# KiCad board board_delta.kicad_pcb (continued)
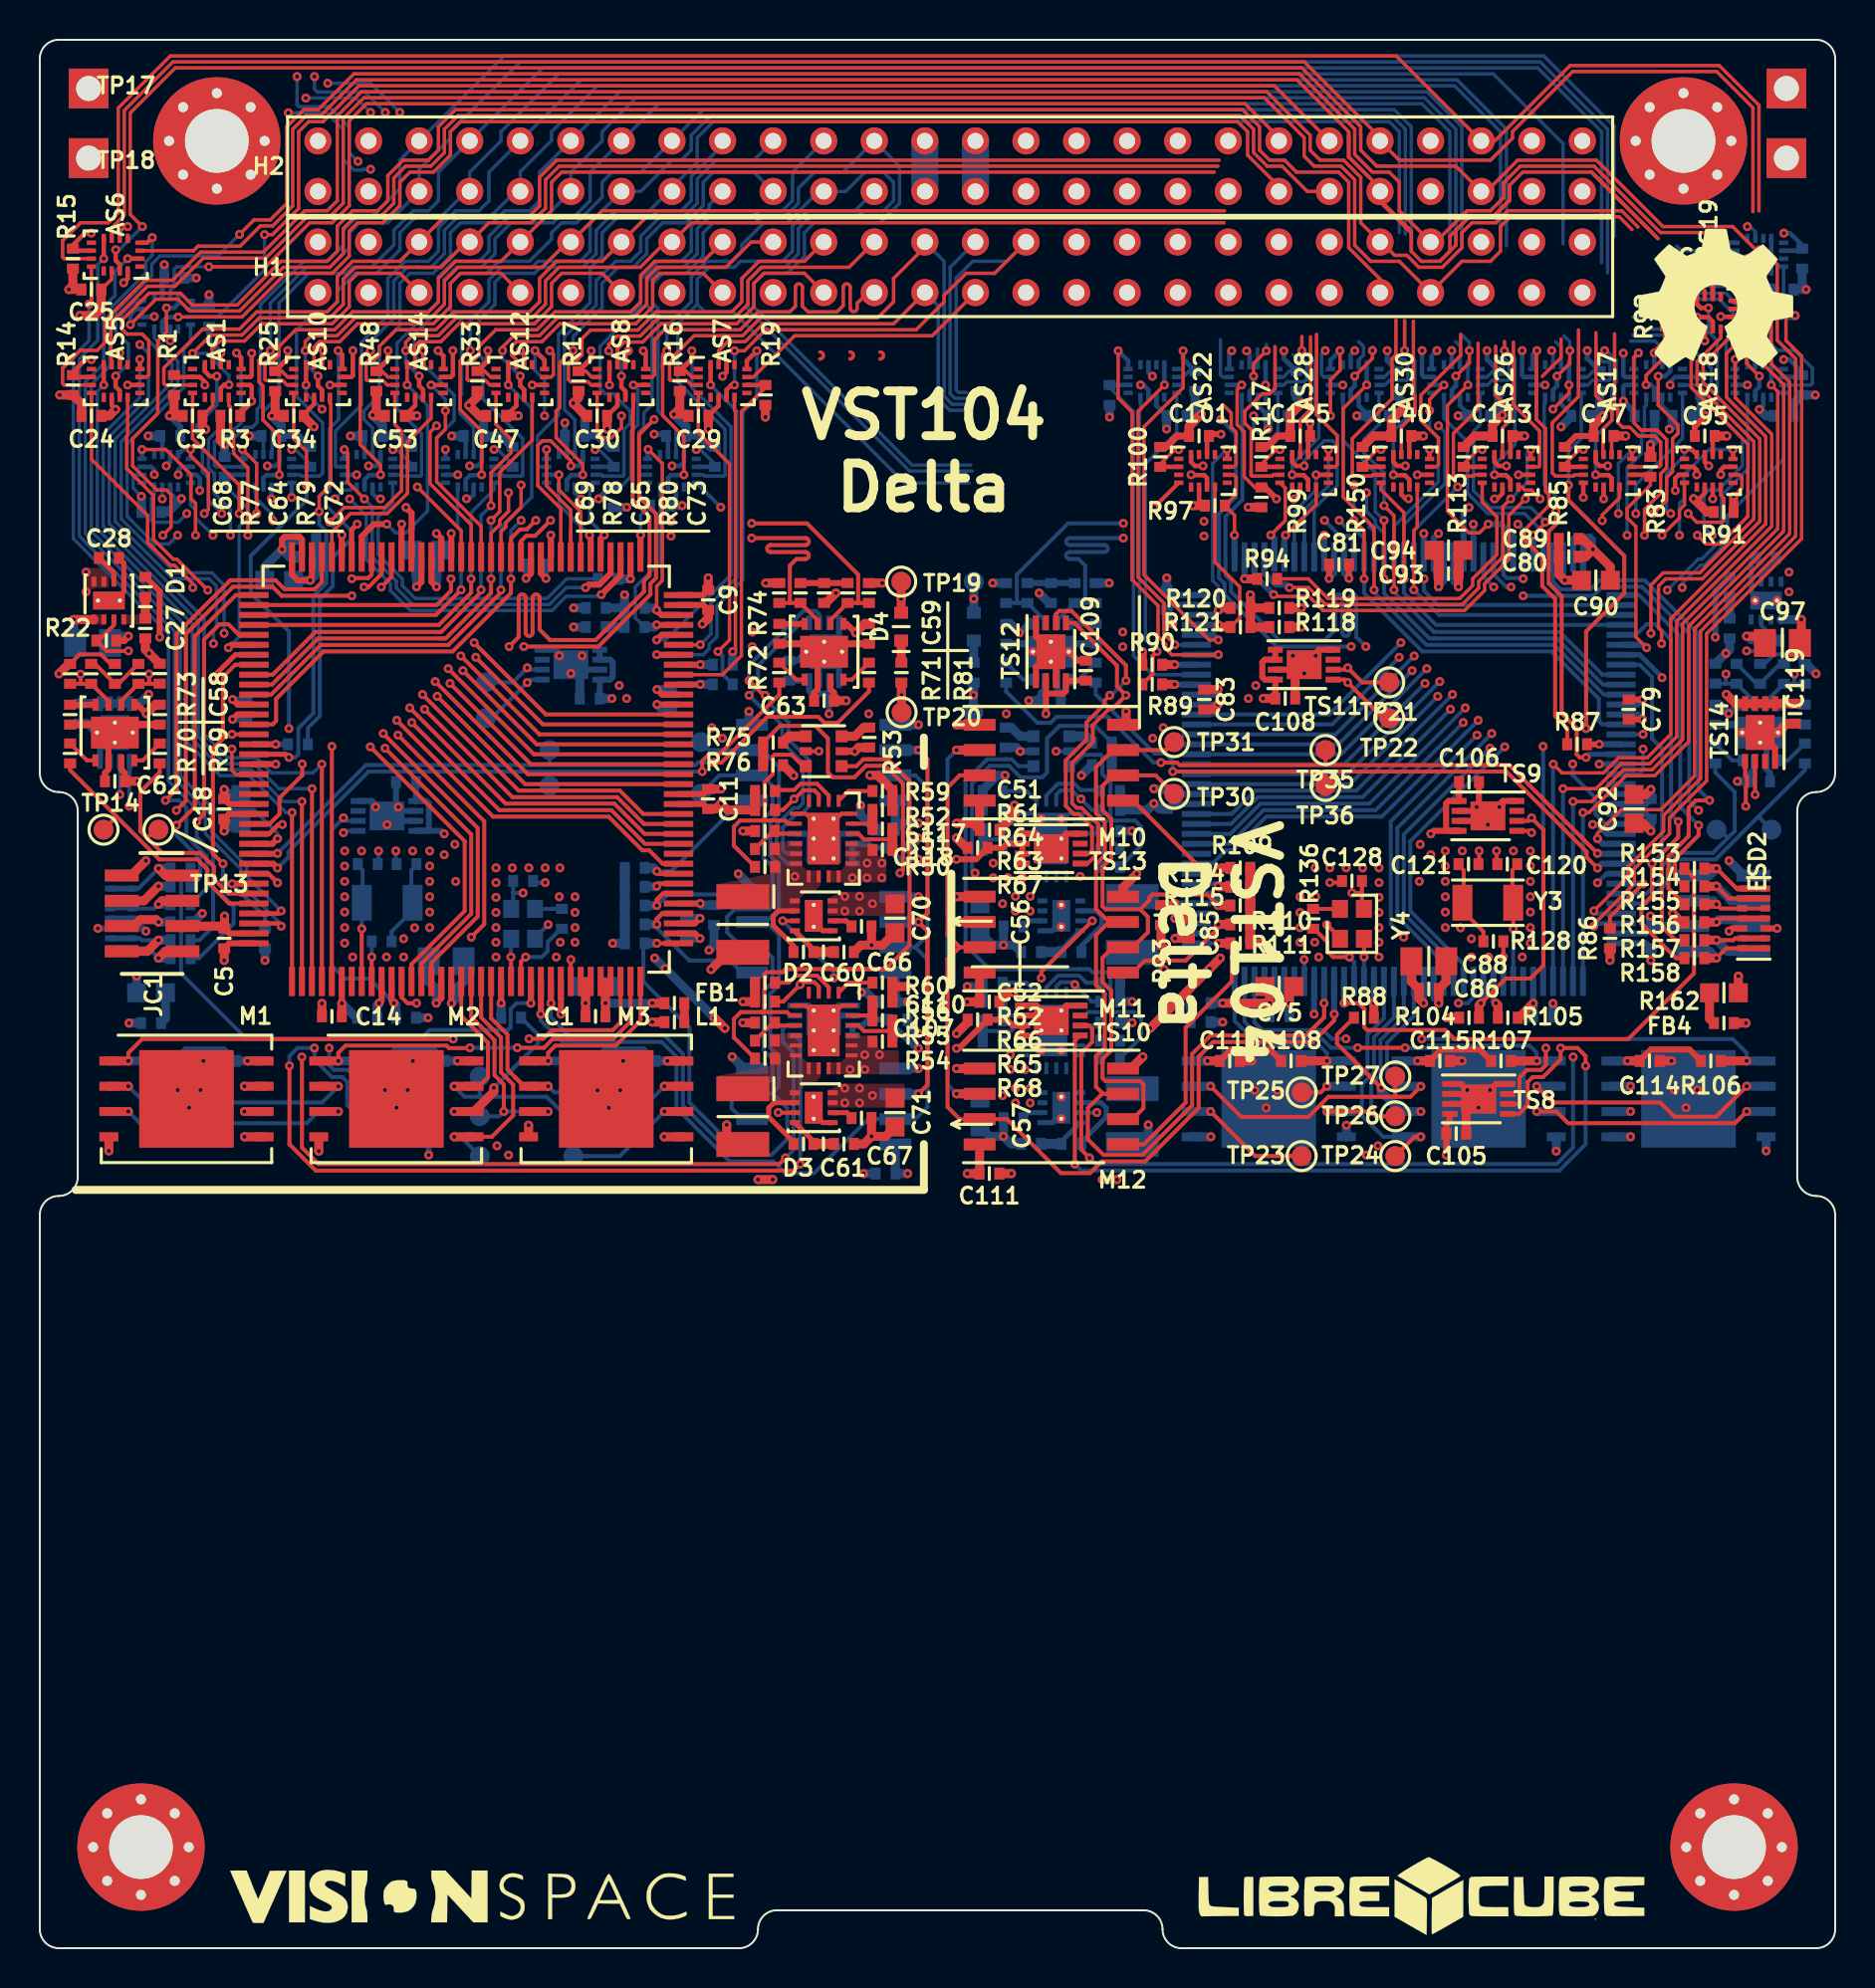
[diagram p0: board, top side]
## Routing (per net, layer and track width the routed paths; a pad name or vN(x,y) marks a point on that pad's centre or on a via; arc(x,y) is an arc through that point) (continued)
/OBC_left/TEMP_VDD: length 161.2
  Top w0.45: v1(36.07,38.62) v1(36.81,38.62)
  In2.Cu w0.45: v1(20.31,55.99) v1(20.84,55.46) v1(20.31,54.94) v1(20.31,55.99) ; v1(20.31,55.99) 20.31,56.82 23.63,60.14 26.08,60.14 v1(28.73,62.79) ; v1(28.73,62.79) v1(29.1,63.44) v1(29.47,62.79) ; v1(28.73,62.79) v1(29.47,62.79) ; v1(41.63,62.02) 43.55,60.1 43.55,55.29 v1(44.13,54.71) ; v1(29.47,62.79) 30.35,61.91 34.61,61.91 34.96,61.56 39.18,61.56 v1(39.64,62.02) ; v1(19.53,39.85) 23.54,39.85 v1(23.54,39.85) ; v1(23.54,39.85) v1(22.96,40.32) 22.35,39.86 ; v1(23.54,39.85) 24.77,38.62 v1(36.07,38.62) v1(36.81,38.62)
  In3.Cu w0.45: v1(2.32,68.15) 2.32,68.15 v1(2.32,69.14) ; 7.01,66.72 7.65,66.72 ; 7.01,66.72 7.33,66.4 7.33,66.4 ; 7.01,66.72 3.06,66.72 2.32,67.46 2.32,68.22 ; 7.65,66.72 20.01,66.72 20.09,66.81 ; 7.65,66.72 7.33,66.4 ; 7.33,66.4 7.33,63.53 6.8,63 v1(5.47,63) ; v1(29.1,63.44) v1(28.73,62.79) v1(29.47,62.79) v1(29.1,63.44) ; v1(29.1,63.44) 29.1,63.93 27.43,65.59 26.78,65.59 25.13,67.24 20.53,67.24 20.09,66.81 ; v1(20.31,54.94) 20.83,55.46 v1(20.84,55.46) 20.84,55.46 v1(20.31,55.99) v1(20.31,54.94) ; v1(20.31,54.94) 20.31,49 22.2,47.11 22.2,41.08 v1(22.96,40.32) v1(23.54,39.85) ; 20.09,66.81 20.03,66.74 ; v1(39.64,62.02) v1(41.63,62.02) ; v1(36.07,38.62) v1(36.81,38.62) 39.18,38.62 40.45,39.89 41.94,39.89 44.71,42.65 44.71,44.63 v1(44.13,45.21)
  Bottom w0.3: v1(44.13,45.21) 44.01,45.21 C36.1 41.61,46.65 41.32,46.36 TS3.7 TS3.8 ; v1(20.31,55.99) 20.16,56.14 TS2.8 19.41,56.14 ; v1(44.13,54.71) 43.15,54.71 C45.1 ; TS4.5 TS4.6 28.64,64.74 28.77,64.61 28.77,63.87 28.64,63.74 TS4.8 C37.2 ; C46.1 TS7.5 TS7.6 TS7.7 TS7.8 5,62.53 ; 42.47,55.19 C45.1 ; C45.1 41.81,55.29 41.61,55.5 TS6.6 ; 39.64,62.98 39.58,63.04 38.77,63.04 38.64,63.17 TS5.8 C38.1 ; 39.64,62.98 v1(39.64,62.02) ; 39.64,62.98 TS5.6 39.65,63.68 ; TS6.6 41.61,55.5 ; TS6.6 TS6.7 TS6.8 ; 19.54,56.27 19.54,57.51 19.41,57.64 TS2.5 C33.1 ; TS1.8 19.36,41.59 19.53,41.41 C32.1 v1(19.53,39.85) 19.53,39.85
  Bottom w0.45: C37.2 v1(28.73,62.79) ; C46.1 5,62.53 v1(5.47,63)
/OBC_left/UART1_CTS: length 12.2
  Top w0.173: 14.63,71.73 v1(14.55,71.65) ; 14.63,71.73 14.6,71.7 ; 14.63,71.73 15.28,72.38 17.32,72.38 18.17,73.23 18.17,76.22 17.83,76.55 AS14.8
  Top w0.3: v1(15.17,71) 15.17,71 U1.103
  Bottom w0.173: v1(14.55,71.65) 14.55,71.62 v1(15.17,71) 14.6,71.57
/OBC_left/UART1_EN: length 16.2
  Top w0.173: AS14.6 17.48,78.94 17.18,79.24 R48.1 ; v1(20.37,77.25) 20.37,76.32 19.93,75.88 19.93,73.68 22.17,71.44 U1.89
  Top w0.225: AS14.14 v1(19.65,78.54)
  Top w0.25: R48.1 17.49,79.83 v1(17.49,80.27)
  In2.Cu w0.173: v1(19.65,78.54) 19.65,79.04 19.26,79.42 18.34,79.42 v1(17.49,80.27)
  Bottom w0.173: v1(20.37,77.25) 20.37,77.82 v1(19.65,78.54)
/OBC_left/UART1_RST: length 11.2
  Top w0.173: U1.104 14.67,71.14 15.6,72.08 17.44,72.08 18.47,73.11 18.47,75.69 19.65,76.87 AS14.12
/OBC_left/UART1_RX: length 16
  Top w0.225: v1(20,80.27) 20.27,80 AS14.16
  Top w0.25: U1.102 15.67,71.28 v1(15.94,71.55)
  In2.Cu w0.173: v1(15.94,71.55) 16.38,71.11 18.48,71.11 19.93,72.57 19.93,75.88 20.81,76.76 20.81,79.46 v1(20,80.27)
/OBC_left/UART1_TX: length 13
  Top w0.173: AS14.4 v1(18.45,78.54)
  Top w0.3: v1(17.43,71.55) 16.78,71.55 16.17,70.94 U1.101
  Bottom w0.173: v1(17.43,71.55) 17.87,71.11 18.38,71.11 19.47,72.2 19.47,77.52 v1(18.45,78.54)
/OBC_left/UART2_CTS: length 24.1
  Top w0.173: AS12.8 22.91,76.56 23.67,75.81 23.67,75.14 22.66,74.13 v1(22.66,72.48)
  Top w0.2: U1.117 11.69,63.99 13.84,66.13 20.16,66.13 22.16,68.14 v1(22.16,68.25)
  Bottom w0.173: v1(22.66,72.48) 22.16,71.98 v1(22.16,68.25)
/OBC_left/UART2_EN: length 15.9
  Top w0.173: R33.1 22.34,79.24 22.64,78.94 AS12.6 ; v1(24.17,73.52) 24.17,72.4 23.4,71.63 23.4,71.41 23.17,71.17 U1.87
  Top w0.225: v1(24.73,78.54) AS12.14
  Top w0.25: v1(22.5,80.27) 22.5,79.76 R33.1
  In2.Cu w0.173: v1(22.5,80.27) 23.35,79.42 24.34,79.42 24.73,79.04 v1(24.73,78.54) 23.59,77.4 23.59,74.1 v1(24.17,73.52)
/OBC_left/UART2_RST: length 24.7
  Top w0.173: AS12.12 24.73,75.78 23.1,74.14 23.1,72.18 v1(22.66,71.74)
  Top w0.2: v1(22.66,68.8) 22.66,68.08 20.39,65.81 20.12,65.81 ; 20.12,65.81 13.97,65.81 11.65,63.49 U1.118 ; 20.12,65.81 20.29,65.81
  Bottom w0.173: v1(22.66,68.8) v1(22.66,71.74)
/OBC_left/UART2_RX: length 31
  Top w0.2: v1(23.66,68.8) 23.66,68.09 23.37,67.8 23.37,67.79 20.73,65.15 14.24,65.15 11.87,62.78 11.87,61.66 11.69,61.49 U1.122
  Top w0.225: AS12.16 25.35,79.79 v1(24.87,80.27)
  In2.Cu w0.173: v1(25.35,76.99) 25.89,76.45 25.89,74.77 25.21,74.09 25.21,72.78 v1(24.17,71.74)
  Bottom w0.173: v1(23.66,68.8) 23.66,71.23 v1(24.17,71.74) ; v1(25.35,76.99) 25.35,78.8 24.87,79.28 v1(24.87,80.27)
/OBC_left/UART2_TX: length 27.1
  Top w0.2: v1(23.16,68.25) 23.16,68.12 20.52,65.48 14.11,65.48 11.62,62.99 U1.119
  Top w0.225: AS12.4 v1(23.53,78.54)
  Bottom w0.173: v1(23.16,68.25) 23.16,71.36 24.71,72.91 24.71,77.36 v1(23.53,78.54)
/OBC_left/UART3_CTS: length 8
  Top w0.173: 26.67,71.28 26.67,72.25 25.45,73.47 v1(25.45,75.3) ; 26.67,71.28 26.67,70.87 ; 26.67,71.28 U1.80 ; 26.67,69.9 U1.80 ; U1.80 26.67,70.87 ; 26.67,70.87 26.67,71.07
  Bottom w0.225: AS13.8 25.45,75.3 v1(25.45,75.3)
/OBC_left/UART3_EN: length 10.3
  Top w0.173: U1.79 27.17,72.18 26.07,73.27 v1(26.07,74.03)
  In2.Cu w0.173: v1(27.89,75.29) 26.84,75.29 26.07,74.52 v1(26.07,74.03)
  Bottom w0.173: R34.1 28.82,74.56 28.09,75.29 v1(27.89,75.29) ; 28.82,74.53 28.72,74.43
  Bottom w0.225: AS13.6 v1(26.07,74.03) ; AS13.14 R34.1
/OBC_left/UART3_RST: length 9.6
  Top w0.173: v1(26.67,74.48) 26.67,74.73 25.66,75.74 25.24,75.74 25.01,75.51 25.01,73.48 26.17,72.33 U1.81
  Bottom w0.225: v1(26.67,74.48) 27.07,74.48 27.27,74.67 AS13.12
/OBC_left/UART3_RX: length 4.6
  Top w0.3: U1.78 27.67,70.94 v1(27.6,71)
  Bottom w0.173: v1(27.6,71) 26.07,72.53 AS13.4 26.07,73.01
/OBC_left/UART3_TX: length 4.3
  Top w0.3: v1(28.35,71) 28.17,70.82 U1.77
  Bottom w0.173: 27.97,71.38 27.89,71.46 ; 27.97,71.38 27.62,71.73 27.62,73.36 AS13.16 ; 27.97,71.38 v1(28.35,71)
/OBC_left/UART4_CTS: length 40.1
  Top w0.2: v1(6.86,57.17) 7.33,57.64 7.33,66.03 9.7,68.4 11.69,68.4 12.15,67.95 v1(15.67,67.95)
  Top w0.225: U1.137 11.48,53.99 v1(11.94,53.53)
  In2.Cu w0.173: 19.18,70.58 19.18,69.84 ; 19.18,70.58 19.18,69.77 17.36,67.95 v1(15.67,67.95) ; 19.18,70.58 19.18,71.39 20.25,72.46 20.25,75.18 v1(20.37,75.3)
  In2.Cu w0.2: v1(11.94,53.53) 11.44,53.03 9.28,53.03 8.75,53.56 8.75,56.41 7.99,57.17 v1(6.86,57.17)
  Bottom w0.225: AS15.8 20.37,75.3 v1(20.37,75.3)
/OBC_left/UART4_EN: length 11.2
  Top w0.173: U1.88 22.67,71.1 23.1,71.53 23.1,71.75 23.54,72.2 v1(23.54,73.13)
  In2.Cu w0.173: 22.81,74 22.81,73.86 v1(23.54,73.13) ; 22.81,74 22.4,73.59 21.43,73.59 v1(20.99,74.03) ; 22.81,74 v1(22.81,75.3)
  Bottom w0.173: R49.1 23.74,74.56 23,75.3 v1(22.81,75.3)
  Bottom w0.225: AS15.14 R49.1 ; AS15.6 v1(20.99,74.03)
/OBC_left/UART4_RST: length 19.4
  Top w0.2: U1.110 19.94,67.49 20.65,68.2 v1(20.65,68.8)
  In2.Cu w0.173: v1(21.59,74.48) 20.79,74.48 20.55,74.24 20.55,72.34 19.48,71.27 19.48,69.97 v1(20.65,68.8)
  Bottom w0.225: AS15.12 22.19,74.67 21.99,74.48 v1(21.59,74.48)
/OBC_left/UART4_RX: length 17.6
  Top w0.2: U1.112 20.05,66.49 21.66,68.1 v1(21.66,68.8)
  Bottom w0.173: v1(21.66,68.8) 21.66,72.13 22.81,73.28 AS15.16
/OBC_left/UART4_TX: length 16.2
  Top w0.2: v1(21.16,68.25) 19.9,66.99 U1.111
  Bottom w0.173: AS15.4 20.99,71.4 21.16,71.23 v1(21.16,68.25)
/OBC_left/UART5_RX: length 17.7
  Top w0.2: v1(9.2,54.49) 8.69,55 8.69,60.27 9.2,60.77 9.2,63.87 9.82,64.49 U1.116
  Bottom w0.2: v1(9.2,54.49) 9.2,53.7 9.2,53.7 9.2,52.88 9.73,52.35 9.73,51.48 7.99,49.74 R46.2
/OBC_left/UART5_TX: length 19.4
  Top w0.2: U1.113 10,65.99 9.47,66.52 9.02,66.52 8.25,65.74 8.25,56.97 v1(7.88,56.6)
  Bottom w0.2: v1(7.88,56.6) 7.88,55.82 8.7,55 8.7,51.33 8.02,50.65 R45.2
/OBC_left/USER1_1: length 38.2
  Top w0.2: U1.53 24.37,58.49 v1(19.96,62.9)
  Top w0.225: AS1.4 8.29,79.23 8.54,78.98 v1(8.89,78.98)
  In2.Cu w0.173: v1(9.14,72.08) 9.14,70.79 14.26,65.67 14.26,65.66 14.33,65.59 14.51,65.41 17.45,65.41 v1(19.96,62.9)
  Bottom w0.17: v1(9.14,72.08) 8.47,72.75 8.47,73.68 8.47,73.68
  Bottom w0.173: 8.47,73.68 8.47,73.88 8.17,74.18 8.17,75.84 7.89,76.12 7.89,76.53 8.89,77.53 v1(8.89,78.98)
/OBC_left/USER1_2: length 35.1
  Top w0.17: 10.01,73.14 10.01,73.52 8.88,74.65
  Top w0.173: v1(10.01,72.08) 10.01,73.14 ; 8.88,74.65 7.67,75.86 AS1.8
  Top w0.2: U1.55 24.66,59.49 v1(20.6,63.55)
  In2.Cu w0.173: v1(20.6,63.55) 18.14,66.01 14.76,66.01 14.56,66.21 14.55,66.21 10.01,70.76 v1(10.01,72.08)
/OBC_left/USER1_4: length 33.7
  Top w0.17: 10.45,73.3 10.45,74.38 9.73,75.1 9.73,75.34
  Top w0.173: 9.73,75.34 9.73,76.07 9.58,76.22 9.58,77.43 9.49,77.52 AS1.12 ; v1(10.45,70.99) 10.45,73.3
  Top w0.2: U1.56 24.81,59.99 v1(20.51,64.29)
  In2.Cu w0.173: v1(10.45,70.99) 10.45,70.74 14.63,66.57 14.63,66.57 14.89,66.31 18.49,66.31 v1(20.51,64.29)
/OBC_left/USER1_EN: length 19.1
  Top w0.2: U1.99 17.17,69.05 16.51,68.39 v1(16.28,68.39)
  Top w0.225: v1(8.29,78.54) 8.29,78.69 8.04,78.94 AS1.6 6.84,78.94 R1.2
  In2.Cu w0.173: v1(8.29,78.54) 9.54,77.29 11.3,77.29 11.44,77.43 11.86,77.43 13.83,75.45 13.83,73.23 13.59,72.98 13.59,71.96 16.28,69.27 v1(16.28,68.39)
/OBC_left/USER2_1: length 27.9
  Top w0.2: v1(21.14,64.93) 21.19,64.88 21.2,64.88 25.09,60.99 U1.58
  In2.Cu w0.173: v1(21.14,64.93) 19.16,66.91 15.21,66.91 14.51,67.62 14.51,69.35 12.12,71.73 v1(11.7,71.73)
  Bottom w0.173: v1(11.7,71.73) 11.7,72.01 10.83,72.88 AS2.4
/OBC_left/USER2_2: length 30.8
  Top w0.17: 10.89,73.07 10.89,74.59 v1(10.17,75.31)
  Top w0.173: v1(10.89,72.08) 10.89,73.07
  Top w0.2: U1.57 24.95,60.49 v1(21.25,64.19)
  In2.Cu w0.173: v1(10.89,72.08) 10.89,70.73 14.75,66.87 14.76,66.87 15.01,66.61 18.83,66.61 v1(21.25,64.19)
  Bottom w0.225: AS2.8 10.21,75.27 v1(10.17,75.31)
/OBC_left/USER2_4: length 29.1
  Top w0.2: v1(21.9,64.86) 21.93,64.83 21.93,64.82 25.26,61.49 U1.59
  In2.Cu w0.173: v1(11.43,74.48) 11.43,73.67 12.14,72.96 12.14,72.14 14.81,69.47 14.81,67.74 15.34,67.21 19.55,67.21 21.9,64.86 v1(21.9,64.86)
  Bottom w0.225: v1(11.43,74.48) 11.83,74.48 12.03,74.67 AS2.12
/OBC_left/USER2_EN: length 11.8
  Top w0.3: v1(9.47,65.34) 9.62,65.49 U1.114
  Bottom w0.17: v1(9.47,65.34) 10.01,65.88 10.01,71.43 10.45,71.87 10.45,72.34 9.28,73.51 R2.1
  Bottom w0.225: AS2.6 9.38,74.03 R2.1
/OBC_left/USER3_1: length 32.4
  Top w0.2: v1(19.22,62.99) 24.05,58.16 29.13,58.16 30.3,56.99 U1.50
  In2.Cu w0.173: v1(8.7,70.99) 8.7,70.8 10.35,69.15 14.38,65.11 17.1,65.11 v1(19.22,62.99)
  Bottom w0.17: v1(8.7,70.99) 7.82,71.87 7.82,72.26 7.57,72.52 AS3.16
/OBC_left/USER3_2: length 36.1
  Top w0.2: v1(18.68,61.58) 23.08,57.18 28.71,57.18 30.4,55.49 U1.47
  In2.Cu w0.173: v1(18.68,61.58) 16.05,64.21 13.98,64.21 7.38,70.81 v1(7.38,72.08)
  Bottom w0.173: v1(7.38,72.08) 6.95,71.65 5.68,71.65 5.6,71.73 5.6,72.86 5.75,73.01 AS3.4
/OBC_left/USER3_3: length 35.5
  Top w0.173: v1(8.26,72.08) 8.47,72.29 8.47,74.09 7.57,74.99 v1(7.57,75.31)
  Top w0.2: v1(19.32,62.25) 23.74,57.83 28.99,57.83 30.34,56.49 U1.49
  In2.Cu w0.173: v1(19.32,62.25) 16.76,64.81 14.23,64.81 8.26,70.78 v1(8.26,72.08)
  Bottom w0.225: AS3.12 7.21,75.31 v1(7.57,75.31)
/OBC_left/USER3_4: length 37.2
  Top w0.173: v1(7.82,70.99) 7.82,72.6 7.59,72.83 7.59,74.04 6.33,75.3 v1(5.13,75.3)
  Top w0.2: U1.48 30.38,55.99 28.86,57.51 23.39,57.51 18.58,62.32 v1(18.58,62.32)
  In2.Cu w0.173: v1(7.82,70.99) 7.82,70.79 14.1,64.51 16.39,64.51 v1(18.58,62.32)
  Bottom w0.225: AS3.8 5.13,75.3 v1(5.13,75.3)
/OBC_left/USER3_EN: length 27.6
  Top w0.2: v1(13.18,59.5) 13.18,58.94 12.04,57.79 12.04,56.99 11.54,56.49 U1.132
  In2.Cu w0.17: 13.18,61.37 v1(13.18,59.5)
  In2.Cu w0.173: v1(5.1,72.95) 5.71,73.56 6.48,73.56 v1(6.95,74.03) ; v1(5.1,72.95) 5.1,72.84 ; v1(5.1,72.95) 5.1,71.39 6.63,69.86 6.63,68.77 8.26,67.14 8.26,65.36 11.87,61.75 12.88,61.75 13.18,61.45 13.18,61.37
  Bottom w0.173: AS3.6 4.8,74.03 4.69,73.91 4.69,73.36 v1(5.1,72.95)
  Bottom w0.225: v1(6.95,74.03) 6.95,74.27 7.11,74.43 AS3.14
  Bottom w0.45: R10.1 v1(5.1,72.95)
/OBC_left/USER4_1: length 44.7
  Top w0.2: v1(16.6,60.36) 21.34,55.62 21.34,52.11 18.67,49.44 U1.13
  In2.Cu w0.173: v1(16.6,60.36) 14.26,62.7 12.76,62.7 9.39,66.07 v1(9.25,66.07)
  Bottom w0.173: v1(9.25,66.07) 9.25,68.49 8.64,69.1 6.8,69.1 4.09,71.81 4.09,75.7 6.93,78.54 6.93,79.73 5.75,80.91 AS4.4
/OBC_left/USER4_2: length 48.7
  Top w0.173: v1(6.36,82.41) 6.36,81.2 5.93,80.76 5.93,77.12 4.66,75.85 4.66,74.48 5.88,73.26 6.36,73.26 6.59,73.03 6.59,71.4 v1(6.18,70.99)
  Top w0.2: v1(17.99,60.95) 22.32,56.62 22.32,51.45 v1(21.67,50.8) ; v1(18.92,47.48) 18.47,47.48 18.17,47.78 U1.12
  In2.Cu w0.173: v1(17.99,60.95) 15.33,63.61 13.71,63.61 6.77,70.55 6.62,70.55 v1(6.18,70.99)
  In2.Cu w0.2: v1(18.92,47.48) 21.67,50.23 v1(21.67,50.8)
  Bottom w0.225: AS4.12 6.95,82.61 6.75,82.41 v1(6.36,82.41)
/OBC_left/USER4_3: length 43.8
  Top w0.2: U1.5 14.67,59.44 v1(14.67,60.38)
  In2.Cu w0.173: v1(14.67,60.38) 12.99,62.06 12.11,62.06 11.79,62.38 11.79,62.38 8.72,65.44 v1(8.72,65.55)
  Bottom w0.173: v1(8.72,65.55) 8.72,66.18 8.87,66.33 8.87,68.45 8.51,68.8 6.67,68.8 3.79,71.69 3.79,75.82 6.63,78.67 6.63,79.61 5.13,81.1 4.36,81.1 4.11,81.36 4.11,82.1 4.7,82.7 5.1,82.7 5.13,82.73 AS4.8
/OBC_left/USER4_4: length 46.6
  Top w0.2: 17.93,61.66 v1(17.93,61.69) 22.77,56.85 28.57,56.85 30.26,55.16 30.61,55.16 31.28,54.49 U1.45
  In2.Cu w0.173: v1(6.92,70.99) 6.92,70.85 13.85,63.91 15.71,63.91 v1(17.93,61.69)
  Bottom w0.173: 4.39,71.94 4.57,71.76 ; 4.39,71.94 4.39,75.58 7.23,78.42 7.23,80.34 7.57,80.68 AS4.16 ; 4.39,71.94 5.77,70.55 6.48,70.55 v1(6.92,70.99)
/OBC_left/USER4_EN: length 32.6
  Top w0.173: U1.127 9.84,58.99 9.65,59.18 v1(9.65,60.25)
  In2.Cu w0.173: v1(8.5,83.08) 6.38,83.08 5.75,82.45 v1(5.75,81.98) 5.75,79.1 4.66,78.01 4.66,71.41 6.33,69.74 6.33,68.64 7.96,67.01 7.96,65.22 10.12,63.07 10.12,60.72 v1(9.65,60.25)
  Bottom w0.225: AS4.6 5.74,81.97 v1(5.75,81.98) ; R11.1 8.4,82.37 AS4.14
  Bottom w0.45: R11.1 v1(8.5,83.08)
/OBC_left/USER5_1: length 38.7
  Top w0.2: U1.3 13.67,56.94 13.67,56.94 v1(13.67,58.26)
  Top w0.225: AS5.16 5.03,79.82 v1(5.02,79.83)
  Bottom w0.173: v1(5.02,79.83) 5.02,77.91 3.19,76.07 3.19,71.44 7.96,66.67 7.96,60.87 9.32,59.51 10.76,59.51 12.01,58.26 v1(13.67,58.26)
/OBC_left/USER5_2: length 39.9
  Top w0.173: 5.77,70.28 5.41,70.64 5.41,71.99 2.59,74.81 AS5.8 ; 5.77,70.28 6.56,69.49 6.75,69.49 7.68,68.56 v1(7.68,68.36) ; 5.77,70.28 5.49,70.55
  Top w0.2: U1.14 19.17,49.48 21.67,51.98 21.67,55.96 v1(17.34,60.29)
  In2.Cu w0.173: v1(17.34,60.29) 14.63,63 13.04,63 v1(7.68,68.36)
/OBC_left/USER5_3: length 36.8
  Top w0.2: U1.2 v1(13.17,57.62)
  Top w0.225: AS5.4 v1(3.21,78.54)
  Bottom w0.173: v1(3.21,78.54) 2.89,78.22 2.89,71.32 7.66,66.55 7.66,60.74 9.19,59.21 10.63,59.21 12.23,57.62 v1(13.17,57.62)
/OBC_left/USER5_4: length 38.7
  Top w0.173: v1(8.43,68.23) 6.88,69.79 6.7,69.79 5.71,70.78 5.71,72.99 4.67,74.03 4.67,74.04 4.36,74.35 4.36,75.97 4.41,76.02 AS5.12
  Top w0.2: U1.15 19.67,49.51 21.99,51.84 21.99,56.28 17.25,61.02 v1(17.25,61.03)
  In2.Cu w0.173: v1(8.43,68.23) 13.36,63.3 14.98,63.3 v1(17.25,61.03)
/OBC_left/USER5_EN: length 25.5
  Top w0.173: U1.115 9.84,64.99
  Top w0.225: v1(2.59,79.82) 2.3,79.82 1.66,79.18 R14.1 1.76,78.94 AS5.6 ; AS5.14 v1(4.41,78.54)
  Top w0.25: U1.115 9.82,64.99 8.7,63.87 v1(8.7,63.84)
  In2.Cu w0.173: v1(8.7,63.84) 7.65,64.88 7.65,66.9 6.03,68.52 6.03,69.61 4.36,71.28 4.36,78.49 v1(4.41,78.54) 4.4,78.55 4.4,79.04 3.62,79.82 v1(2.59,79.82)
/OBC_left/USER6_1: length 44.7
  Top w0.173: 5.15,85.69 AS6.16
  Top w0.2: U1.1 12.67,57.06 v1(12.67,57.06)
  Top w0.225: AS6.16 5.39,85.69 v1(5.65,85.95)
  Bottom w0.173: v1(5.65,85.95) 5.65,85.06 5.33,84.74 5.33,84.16 3.51,82.35 3.51,79.49 2.59,78.57 2.59,71.19 7.36,66.42 7.36,60.62 9.07,58.91 10.51,58.91 12.36,57.06 v1(12.67,57.06)
/OBC_left/USER6_2: length 39.9
  Top w0.225: v1(12.12,52.12) 11.99,51.99 U1.141 ; AS6.4 v1(3.21,84.89)
  Bottom w0.173: v1(3.21,84.89) 2.91,84.59 2.91,80.79 1.99,79.87 1.99,70.95 6.76,66.17 6.76,58.77 8.62,56.91 8.62,56.12 10.39,54.35 10.39,53.85 v1(12.12,52.12)
/OBC_left/USER6_3: length 44.7
  Top w0.2: U1.4 14.17,59.48 v1(14.16,59.49)
  Top w0.225: v1(4.21,83.68) 4.41,83.88 AS6.12
  In2.Cu w0.173: v1(5.02,80.57) 4.9,80.57 3.99,81.48 3.99,83.46 v1(4.21,83.68)
  Bottom w0.173: v1(14.16,59.49) 13.72,59.05 11.64,59.05 10.88,59.81 9.44,59.81 8.26,60.99 8.26,66.79 3.49,71.57 3.49,75.95 5.46,77.92 5.46,80.13 v1(5.02,80.57)
/OBC_left/USER6_4: length 39.7
  Top w0.173: 2.59,82.73 2.59,83.11 ; 2.59,82.73 2.59,82.96 ; 2.59,82.73 v1(2.47,82.61) ; 2.59,83.11 AS6.8 ; 2.59,83.11 2.59,82.96 ; 2.59,82.96 2.59,82.89
  Top w0.225: v1(12.12,51.35) 11.98,51.49 U1.142
  Bottom w0.173: v1(2.47,82.61) 2.47,80.77 1.69,79.99 1.69,70.82 6.46,66.05 6.46,58.65 8.32,56.79 8.32,56 10.09,54.23 10.09,53.48 12.12,51.45 v1(12.12,51.35)
/OBC_left/USER6_EN: length 42.2
  Top w0.225: AS6.6 1.76,85.29 R15.1 1.66,85.57 2.26,86.17 v1(2.58,86.17) ; AS6.14 v1(4.41,84.89)
  Top w0.3: v1(11.94,55.75) 11.68,55.49 U1.134
  In2.Cu w0.173: v1(2.58,86.17) 3.63,86.17 4.41,85.39 v1(4.41,84.89)
  Bottom w0.173: v1(11.94,55.75) 11.94,56.01 10.75,57.2 8.75,57.2 7.06,58.9 7.06,60.64 ; 7.06,60.64 7.06,60.5 ; 7.06,60.64 7.06,66.3 2.29,71.07 2.29,78.69 3.21,79.61 3.21,82.47 3.77,83.04 3.77,84.25 v1(4.41,84.89)
/OBC_left/USER_SPI2_EN: length 12
  Top w0.2: U1.100 16.67,69.02 16.49,68.84 15.7,68.84 v1(15.67,68.81)
  In2.Cu w0.173: v1(15.67,68.81) 15.67,69.45 13.09,72.04 13.09,73.17 12.65,73.61 v1(12.65,75.3)
  Bottom w0.173: R4.1 13.58,74.56 12.84,75.3 v1(12.65,75.3)
  Bottom w0.225: AS2.14 R4.1
/OBC_left/USER_SPI3_EN: length 17.5
  Top w0.2: U1.98 17.67,68.91 v1(17.15,68.39)
  Top w0.225: v1(10.64,77.73) 10.64,78.47 10.57,78.54 AS1.14
  Top w0.3: v1(10.64,77.73) 10.07,77.16 R3.2
  In2.Cu w0.173: v1(17.15,68.39) 17.15,69.71 14.38,72.48 14.38,76.47 13.12,77.73 10.93,77.73 v1(10.64,77.73)
/OBC_left/WATCHDOG: length 21
  Top w0.225: v1(36.01,80.26) 35.51,79.76 AS7.16
  Top w0.3: U1.66 30.98,64.99 v1(30.98,64.99)
  Bottom w0.173: v1(30.98,64.99) 33.32,64.99 33.62,65.29 33.62,65.52 34.01,65.9 34.01,67.45 35.31,68.76 35.31,77.18 36.01,77.88 v1(36.01,80.26)
/OBC_right/BOOT: length 4
  Top w0.2: v1(80.52,53.48) 78.86,51.82 R86.1
  Bottom w0.3: v1(80.52,53.48) 80.51,53.49 U4.138
/OBC_right/CAN1_EN: length 13.7
  Top w0.173: v1(60.36,78.54) 60.14,78.32 60.14,76.54 60.49,76.19 60.49,73.93 61.02,73.4 R99.2
  Top w0.3: R99.2 61.53,73.4 v1(62.11,72.82)
  In2.Cu w0.173: v1(62.11,72.82) 62.56,72.37 64.63,72.37 v1(65.26,71.74)
  Bottom w0.2: v1(65.26,71.74) 65.71,71.29 66.05,71.29 66.5,70.84 U4.86
  Bottom w0.225: AS21.14 v1(60.36,78.54)
/OBC_right/CAN1_N: length 50.6
  In2.Cu w0.2: v1(84.69,64.02) 84.59,64.02 82.71,62.14 82.71,61.77 79.98,59.04 72.68,59.04 66.84,64.89 66.84,65.16 v1(66.6,65.4)
  Bottom w0.2: TRC13.1 TRC15.1 ; TRC15.1 TRC17.1 ; C135.2 84.16,63.53 84.68,63.53 ; U5.6 86.07,62.68 R139.1 84.68,63.53 ; AS21.12 60.4,76.19 60.4,72.78 59.55,71.93 59.55,68.98 59.83,68.7 59.83,68.15 62.26,65.73 64.55,65.73 65.07,66.25 TRC17.1 ; v1(84.69,64.02) 84.68,64.01 84.68,63.53 ; v1(66.6,65.4) 66.12,65.88 TRC13.1
/OBC_right/CAN1_P: length 52.2
  In2.Cu w0.173: v1(59.32,76.81) 59.32,76.73 59.32,79.72 v1(59.86,80.26)
  In2.Cu w0.2: v1(88.12,64.01) 87.68,63.57 84.6,63.57 83.04,62.01 83.04,61.64 80.11,58.71 72.55,58.71 v1(65.86,65.4)
  Bottom w0.2: v1(65.86,65.4) 62.12,65.4 59.5,68.02 59.5,68.56 59.22,68.84 59.22,72.06 60.07,72.91 60.07,76.06 v1(59.32,76.81) ; C133.2 88.12,63.53 ; 88.12,63.53 R137.1 86.72,62.67 U5.7 ; 88.12,63.53 88.12,64.01 v1(88.12,64.01)
  Bottom w0.225: AS21.16 59.74,80.14 v1(59.86,80.26)
/OBC_right/CAN1_RX: length 12
  Bottom w0.2: 84.2,59.53 R122.2 84.15,59.07 85.12,58.1 85.12,56.13 84.78,55.79 ; 84.78,55.79 84.03,55.03 82.12,55.03 81.42,54.33 81.42,53.71 80.7,52.99 U4.139 ; 84.78,55.79 84.37,56.2 TP33.1
/OBC_right/CAN1_TX: length 13.6
  Bottom w0.2: U4.140 80.66,52.49 81.75,53.58 81.75,54.2 82.25,54.7 84.16,54.7 86.31,56.86 ; R123.2 88.65,59.19 86.31,56.86 ; 86.31,56.86 TP34.1
/OBC_right/CAN2_EN: length 12.5
  Top w0.173: v1(57.2,75.29) 56.99,75.29 56.27,74.57 R100.1
  Top w0.225: AS22.14 R100.1
  In2.Cu w0.173: v1(64.51,71) 64.07,71.44 62.42,71.44 58.56,75.29 v1(57.2,75.29)
  Bottom w0.3: v1(64.51,71) 64.5,70.99 U4.82
/OBC_right/CAN2_N: length 17.1
  Top w0.225: AS22.12 57.82,74.67 58.02,74.48 v1(58.42,74.48)
  In2.Cu w0.2: v1(58.42,74.48) 58.41,74.48 57.31,74.48 v1(54.42,71.59)
  Bottom w0.2: R140.1 C136.2 ; R140.1 49.1,67.59 49.07,67.62 49.07,69.02 51.64,71.59 v1(54.42,71.59) ; R140.1 50.46,66.74 U6.6
/OBC_right/CAN2_P: length 15.4
  Top w0.2: v1(55.97,72.4) 57.2,73.63 AS22.16
  In2.Cu w0.2: v1(54.42,70.85) 54.42,70.85 v1(55.97,72.4)
  Bottom w0.2: C134.2 R138.1 51.1,66.73 U6.7 ; TRC16.1 52.17,69.8 52.5,69.47 52.5,67.6 ; TRC14.1 TRC18.1 ; v1(54.42,70.85) TRC14.1 ; TRC18.1 TRC16.1
/OBC_right/CAN2_RX: length 35.7
  Top w0.2: v1(78.23,55.01) 73.8,59.44 57.24,59.44 57.12,59.57 v1(56.31,59.57) ; TP35.1 64.57,59.49
  Bottom w0.2: v1(56.31,59.57) 55.93,59.57 53.63,61.87 51.07,61.87 50.77,61.57 50.1,61.57 48.53,63.14 R124.2
  Bottom w0.3: U4.135 78.25,54.99 v1(78.23,55.01)
/OBC_right/CAN2_TX: length 31.8
  Top w0.2: v1(56.9,59.12) 73.66,59.12 77.69,55.09 77.69,54.81 v1(78.23,54.27) ; TP36.1 64.57,59.03
  Bottom w0.2: v1(56.9,59.12) 56.9,59.65 56.53,60.02 56,60.02 53.03,62.99 R125.2
  Bottom w0.3: v1(78.23,54.27) 78.45,54.49 U4.136
/OBC_right/CL: length 44.4
  Top w0.2: 46.05,51.56 46.05,51.56 ; 56.3,51.4 R93.1
  Top w0.45: R93.1 56.31,50.39 v1(56.56,50.14) ; M12.6 46.04,42.93 v1(46.04,42.93) ; v1(46.04,51.56) 47.2,51.56 M11.6 ; v1(46.04,60.2) 46.04,60.2 M10.6
  In2.Cu w0.2: v1(56.56,50.14) 56.2,50.5 49.4,50.5 49.05,50.85 46.75,50.85 v1(46.04,51.56)
  Bottom w0.2: v1(46.04,60.2) 45.59,59.75 45.59,52.96 ; 45.59,43.38 45.59,51.11 ; 45.59,43.38 v1(46.04,42.93) ; 45.59,43.38 45.59,50.87 ; 45.59,51.11 v1(46.04,51.56) 45.59,52.01 ; 45.59,51.11 45.59,50.87 ; 45.59,50.87 45.59,51.1 46.05,51.56 45.59,52.02 45.59,52.18 ; 45.59,52.96 45.59,52.18 ; 45.59,52.96 45.59,52.01 ; 45.59,52.01 45.59,52.18
/OBC_right/CLK: length 39.6
  Top w0.2: 62.82,39.8 62.69,39.8 ; 62.69,39.8 TP23.1 ; 62.69,39.8 61.04,39.8 v1(58.8,42.04) ; 65.74,44.86 v1(67.37,43.23) 65.15,45.45 65.15,45.9 R88.2
  In2.Cu w0.2: v1(58.8,42.04) 59.07,41.77 63.71,41.77 64.43,42.49 68.91,42.49 v1(69.36,42.04) 69.62,41.78 74.25,41.78 74.96,42.49 79.44,42.49 v1(79.89,42.04)
  Bottom w0.45: v1(67.37,43.23) 67.37,43.03 M8.6 69.35,42.04 v1(69.36,42.04) ; v1(58.8,42.04) 58.8,42.04 M9.6 ; M7.6 79.89,42.04 v1(79.89,42.04)
/OBC_right/CPU_EN: length 18.6
  Bottom w0.173: U4.64 55.88,63.99 54.93,64.94 54.93,77.21 53.73,78.41 R98.1
  Bottom w0.225: R98.1 AS20.14
/OBC_right/EF1_CUR: length 19.8
  In2.Cu w0.2: v1(52.29,57.74) 54.39,55.64 58.92,55.64 61.07,53.49 61.07,51.48 62.89,49.67 v1(63.5,49.67)
  Bottom w0.2: v1(63.5,49.67) 63.5,49.67 U4.29 ; EF3.19 51.05,57.96 51.27,58.18 51.83,58.18 52.27,57.74 v1(52.29,57.74) 52.84,57.19 R143.2
/OBC_right/EF1_en: length 11.1
  Bottom w0.2: R151.2 55.31,55.39 55.31,56.35 55,56.66 53.74,56.66 ; 53.74,56.66 52.74,56.66 52.59,56.5 EF3.2 ; 53.74,56.66 53.77,56.69 53.77,58.58 53.36,58.99 53.36,59.87 53.27,59.96 52.41,59.96 51.84,59.39 LG2.6
/OBC_right/EF1_out: length 10.9
  In2.Cu w0.2: v1(51.04,60.14) 51.84,59.34 51.84,54.26 v1(52.25,53.85)
  Bottom w0.2: LG2.5 v1(51.04,60.14)
  Bottom w0.25: D6.2 52.32,50.37 53.34,51.39 53.34,51.85 53.07,52.12 Q5.2
/OBC_right/EF2_CUR: length 17.3
  In2.Cu w0.2: v1(51.99,48.41) 62.5,48.41 63.98,46.93 v1(64,46.93)
  Bottom w0.2: EF4.19 51.05,48.32 51.27,48.54 51.86,48.54 v1(51.99,48.41) 52.83,47.57 52.83,47.56 R144.2
  Bottom w0.3: U4.28 64,47.73 64,47.72 64,46.93 v1(64,46.93)
/OBC_right/EF2_en: length 30.8
  Bottom w0.2: 47.69,49.2 52.18,49.2 52.19,49.19 52.72,49.19 52.87,49.04 53.68,49.04 53.77,48.95 53.77,47.08 53.82,47.03 53.93,47.03 ; 47.69,49.2 50.33,49.2 ; 47.69,49.2 46.49,50.39 46.49,58.65 47.58,59.73 48.41,59.73 ; 48.41,59.73 48.81,59.73 49.16,59.39 LG2.1 ; 48.41,59.73 48.63,59.73 ; R152.2 55.31,45.76 55.31,46.69 54.97,47.03 53.93,47.03 ; 53.93,47.03 52.64,47.03 52.47,46.86 EF4.2
/OBC_right/EF2_out: length 3.7
  Bottom w0.25: D7.2 52.32,40.51 53.56,41.76 53.56,42.22 53.3,42.48 Q6.2
/OBC_right/FAULT: length 15.8
  Top w0.2: v1(56.11,65.15) 55.89,64.93 55.89,64.02 R89.2
  Bottom w0.173: AS20.8 57.1,76.15 55.53,74.58 55.53,65.73 v1(56.11,65.15)
/OBC_right/GLO_EN: length 20.7
  Top w0.173: v1(59.19,65.73) 58.73,65.73 55.46,69.01 55.46,76.44 57.42,78.41 v1(57.42,80.26)
  Bottom w0.173: R95.1 57.72,79.24 57.42,78.94 AS20.6
  Bottom w0.25: v1(57.42,80.26) 57.42,79.85 R95.1
  Bottom w0.3: v1(59.19,65.73) 58.93,65.99 U4.68
/OBC_right/HD: length 48.8
  Top w0.2: v1(65.01,46.93) 65.01,46.61 63.93,45.53 58.94,45.53 58.2,44.8 58.2,42.21 55.52,39.53 53.33,39.53 52.75,38.95 51.28,38.95 48.57,41.66 M12.7 46.2,41.66 45.59,42.27 45.59,49.68 46.2,50.29 ; 46.2,50.29 45.6,50.89 ; 46.2,50.29 45.59,50.9 45.59,58.32 46.2,58.93 M10.7 ; 46.2,50.29 M11.7